# Altium PCB PCB5.PcbDoc (part 10 of 16) (continued)
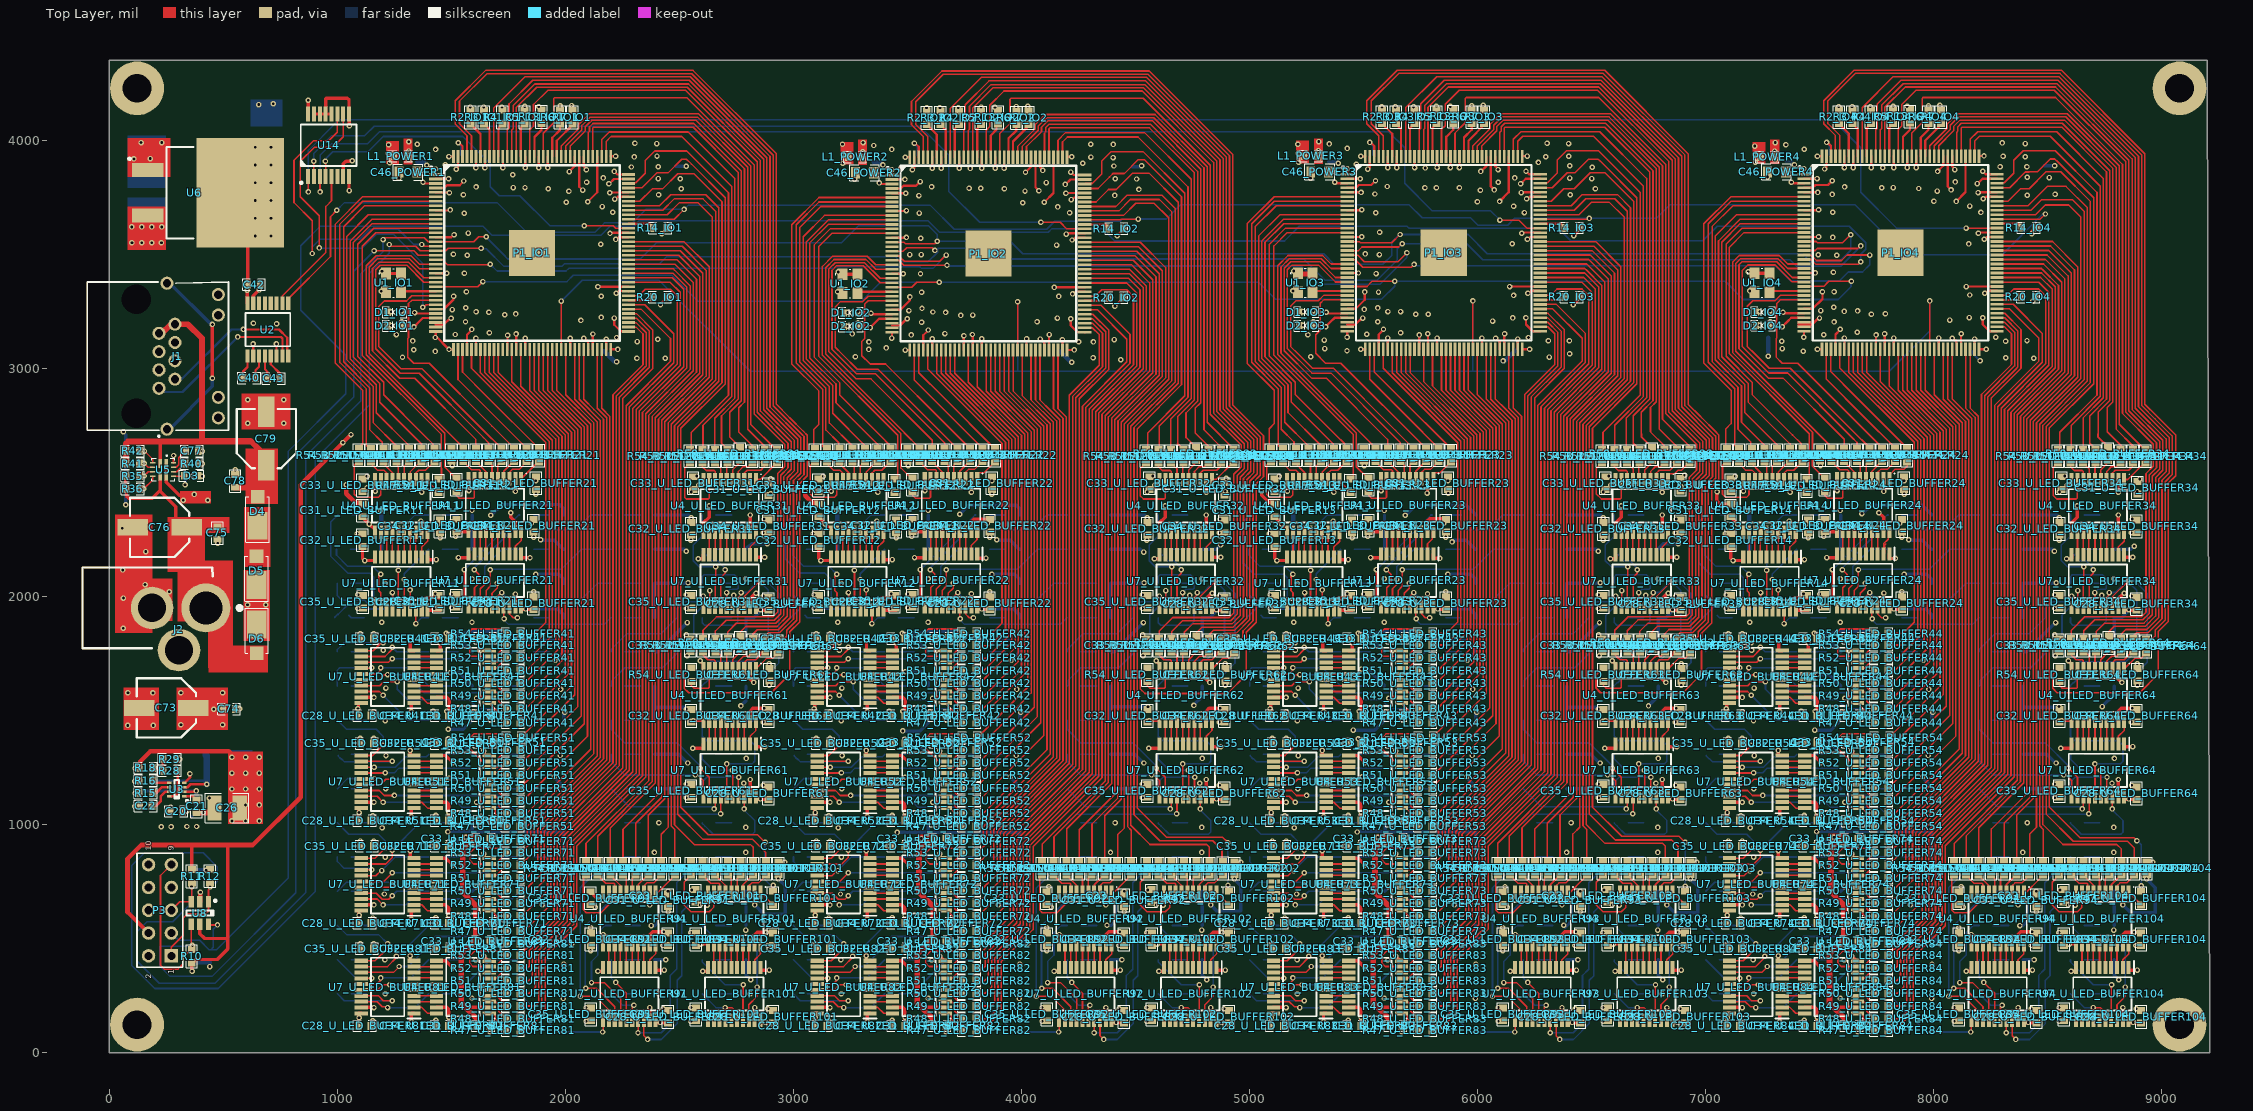
[diagram p0: Top Layer view]
## Nets (pads, with @x,y where several pads share a name; then routed paths per layer and width w, separated by ;. In a path a pad name is that pad's centre, name@x,y a point inside that pad or via, vN(x,y) a via of type N, cw(c..) or ccw(c..) an arc to the next point about the centre after c; other vN are vias at no path point) (continued)
L_OUT8_U_LED_BUFFER73: R46_U_LED_BUFFER73.2 U7_U_LED_BUFFER73.11 | length 397.4
  Top Layer w7: U7_U_LED_BUFFER73.11@5104.96,852.32 5165.79,852.32 v1(5210.63,897.16)
  Bottom Layer w7: R46_U_LED_BUFFER73.2@5000.63,1007.16 5050.63,957.16 5180.63,957.16 5210.63,927.16 v1(5210.63,897.16)
L_OUT8_U_LED_BUFFER74: R46_U_LED_BUFFER74.2 U7_U_LED_BUFFER74.11 | length 397.4
  Top Layer w7: U7_U_LED_BUFFER74.11@7104.96,852.32 7165.79,852.32 v1(7210.63,897.16)
  Bottom Layer w7: R46_U_LED_BUFFER74.2@7000.63,1007.16 7050.63,957.16 7180.63,957.16 7210.63,927.16 v1(7210.63,897.16)
L_OUT8_U_LED_BUFFER81: R46_U_LED_BUFFER81.2 U7_U_LED_BUFFER81.11 | length 411.5
  Top Layer w7: U7_U_LED_BUFFER81.11@1104.96,402.32 1165.79,402.32 1220.63,457.16 v1(1220.63,477.16)
  Bottom Layer w7: R46_U_LED_BUFFER81.2@1000.63,557.16 1040.63,517.16 1180.63,517.16 v1(1220.63,477.16)
L_OUT8_U_LED_BUFFER82: R46_U_LED_BUFFER82.2 U7_U_LED_BUFFER82.11 | length 411.5
  Top Layer w7: U7_U_LED_BUFFER82.11@3104.96,402.32 3165.79,402.32 3220.63,457.16 v1(3220.63,477.16)
  Bottom Layer w7: R46_U_LED_BUFFER82.2@3000.63,557.16 3040.63,517.16 3180.63,517.16 v1(3220.63,477.16)
L_OUT8_U_LED_BUFFER83: R46_U_LED_BUFFER83.2 U7_U_LED_BUFFER83.11 | length 411.5
  Top Layer w7: U7_U_LED_BUFFER83.11@5104.96,402.32 5165.79,402.32 5220.63,457.16 v1(5220.63,477.16)
  Bottom Layer w7: R46_U_LED_BUFFER83.2@5000.63,557.16 5040.63,517.16 5180.63,517.16 v1(5220.63,477.16)
L_OUT8_U_LED_BUFFER84: R46_U_LED_BUFFER84.2 U7_U_LED_BUFFER84.11 | length 411.5
  Top Layer w7: U7_U_LED_BUFFER84.11@7104.96,402.32 7165.79,402.32 7220.63,457.16 v1(7220.63,477.16)
  Bottom Layer w7: R46_U_LED_BUFFER84.2@7000.63,557.16 7040.63,517.16 7180.63,517.16 v1(7220.63,477.16)
L_OUT8_U_LED_BUFFER91: R46_U_LED_BUFFER91.2 U7_U_LED_BUFFER91.11 | length 485.7
  Top Layer w7: v1(2163.09,89.93) 2165.47,92.32 U7_U_LED_BUFFER91.11@2165.47,141.5
  Bottom Layer w7: R46_U_LED_BUFFER91.2@1800.63,257.16 1800.63,254.66 1812.13,243.16 1814.63,243.16 1967.86,89.93 v1(2163.09,89.93)
L_OUT8_U_LED_BUFFER92: R46_U_LED_BUFFER92.2 U7_U_LED_BUFFER92.11 | length 485.7
  Top Layer w7: v1(4163.09,89.93) 4165.47,92.32 U7_U_LED_BUFFER92.11@4165.47,141.5
  Bottom Layer w7: R46_U_LED_BUFFER92.2@3800.63,257.16 3800.63,254.66 3812.13,243.16 3814.63,243.16 3967.86,89.93 v1(4163.09,89.93)
L_OUT8_U_LED_BUFFER93: R46_U_LED_BUFFER93.2 U7_U_LED_BUFFER93.11 | length 485.7
  Top Layer w7: v1(6163.09,89.93) 6165.47,92.32 U7_U_LED_BUFFER93.11@6165.47,141.5
  Bottom Layer w7: R46_U_LED_BUFFER93.2@5800.63,257.16 5800.63,254.66 5812.13,243.16 5814.63,243.16 5967.86,89.93 v1(6163.09,89.93)
L_OUT8_U_LED_BUFFER94: R46_U_LED_BUFFER94.2 U7_U_LED_BUFFER94.11 | length 485.7
  Top Layer w7: v1(8163.09,89.93) 8165.47,92.32 U7_U_LED_BUFFER94.11@8165.47,141.5
  Bottom Layer w7: R46_U_LED_BUFFER94.2@7800.63,257.16 7800.63,254.66 7812.13,243.16 7814.63,243.16 7967.86,89.93 v1(8163.09,89.93)
L_OUT8_U_LED_BUFFER101: U7_U_LED_BUFFER101.11
L_OUT8_U_LED_BUFFER102: U7_U_LED_BUFFER102.11
L_OUT8_U_LED_BUFFER103: U7_U_LED_BUFFER103.11
L_OUT8_U_LED_BUFFER104: U7_U_LED_BUFFER104.11
LED0_IO1: P1_IO1.32 R8_IO1.2 | length 94.4
  Top Layer w10: v1(1338.83,3244.87) 1343.33,3240.36 P1_IO1.32@1431.34,3240.36
LED0_IO2: P1_IO2.32 R8_IO2.2 | length 94.4
  Top Layer w10: v1(3339.93,3242.27) 3344.43,3237.76 P1_IO2.32@3432.44,3237.76
LED0_IO3: P1_IO3.32 R8_IO3.2 | length 94.4
  Top Layer w10: v1(5336.83,3245.72) 5341.33,3241.21 P1_IO3.32@5429.34,3241.21
LED0_IO4: P1_IO4.32 R8_IO4.2 | length 94.4
  Top Layer w10: v1(7339.83,3245.87) 7344.33,3241.36 P1_IO4.32@7432.34,3241.36
LED1_IO1: P1_IO1.33 R21_IO1.2 | length 111.6
  Top Layer w10: v1(1335.83,3181.87) 1358.74,3204.77 1374.64,3220.68 P1_IO1.33@1431.34,3220.68
LED1_IO2: P1_IO2.33 R21_IO2.2 | length 111.6
  Top Layer w10: v1(3336.93,3179.27) 3359.84,3202.17 3375.74,3218.08 P1_IO2.33@3432.44,3218.08
LED1_IO3: P1_IO3.33 R21_IO3.2 | length 111.6
  Top Layer w10: v1(5333.83,3182.72) 5356.74,3205.62 5372.64,3221.53 P1_IO3.33@5429.34,3221.53
LED1_IO4: P1_IO4.33 R21_IO4.2 | length 111.6
  Top Layer w10: v1(7336.83,3182.87) 7359.74,3205.77 7375.64,3221.68 P1_IO4.33@7432.34,3221.68
NetC18_1: C18.1 L4.1 U3.3 | length 472.6
  Top Layer w12: U3.3@329.22,1163.55 344.22,1163.55 357.41,1176.73 v1(427.22,1176.73)
  Bottom Layer w12: C18.1@187.58,1192.13 411.82,1192.13 v1@422.94,1181.01
  Bottom Layer w30: L4.1@422.94,1304.13 427.22,1299.85 v1(427.22,1176.73)
NetC18_2: C18.2 R16.2
  other v1: 110.92,1190.13
NetC21_2: C21.2 U3.1 | length 60.3
  Top Layer w10: U3.1@329.22,1124.18 366.59,1124.18 C21.2@382.82,1107.95
NetC22_2: C22.2 U3.7 | length 113.7
  Top Layer w12: C22.2@187.58,1081.65 204.93,1081.65 226.22,1102.94 226.22,1123.97 246.12,1143.86 U3.7@263.24,1143.86
NetC25_2: C25.2 R18.1 R28.1 R29.1 | length 131.5
  Top Layer w12: R18.1@190.32,1248.03 190.42,1247.93 v1(217.52,1247.93) 224.68,1240.78 230.55,1240.78 R28.1@235.77,1235.55 R29.1@235.77,1286.73
  Bottom Layer w12: C25.2@187.88,1248.03 187.98,1247.93 v1(217.52,1247.93)
NetC77_2: C77.2 U5.11 | length 101.2
  Top Layer w7: U5.11@281.84,2566.21 293.75,2566.21 304.78,2577.24 304.78,2607.9 C77.2@335.22,2638.34
NetD1_IO1_1: D1_IO1.1 R8_IO1.1
  other v1: 1281.93,3251.97
NetD1_IO2_1: D1_IO2.1 R8_IO2.1
  other v1: 3283.03,3249.37
NetD1_IO3_1: D1_IO3.1 R8_IO3.1
  other v1: 5279.93,3252.82
NetD1_IO4_1: D1_IO4.1 R8_IO4.1
  other v1: 7282.93,3252.97
NetD2_IO1_1: D2_IO1.1 R21_IO1.1 | length 18.7
  Bottom Layer w10: R21_IO1.1@1263.63,3203.67 v1(1282.33,3203.67)
NetD2_IO2_1: D2_IO2.1 R21_IO2.1 | length 18.7
  Bottom Layer w10: R21_IO2.1@3264.73,3201.07 v1(3283.43,3201.07)
NetD2_IO3_1: D2_IO3.1 R21_IO3.1 | length 18.7
  Bottom Layer w10: R21_IO3.1@5261.63,3204.51 v1(5280.33,3204.51)
NetD2_IO4_1: D2_IO4.1 R21_IO4.1 | length 18.7
  Bottom Layer w10: R21_IO4.1@7264.63,3204.67 v1(7283.33,3204.67)
NetD3_1: D3.1 R37.2
  other v1: 408.68,2527.64
NetD3_2: D3.2 U5.9 | length 47.8
  Top Layer w7: U5.9@281.84,2526.84 326.32,2526.84 D3.2@328.67,2529.18
NetD4_1: D4.1 D5.2
NetD7_U_LED_BUFFER11_2: D7_U_LED_BUFFER11.2 R9_U_LED_BUFFER11.1 | length 68.5
  Bottom Layer w7: R9_U_LED_BUFFER11.1@1460.63,1907.16 D7_U_LED_BUFFER11.2@1529.14,1907.16
NetD7_U_LED_BUFFER12_2: D7_U_LED_BUFFER12.2 R9_U_LED_BUFFER12.1 | length 68.5
  Bottom Layer w7: R9_U_LED_BUFFER12.1@3460.63,1907.16 D7_U_LED_BUFFER12.2@3529.14,1907.16
NetD7_U_LED_BUFFER13_2: D7_U_LED_BUFFER13.2 R9_U_LED_BUFFER13.1 | length 68.5
  Bottom Layer w7: R9_U_LED_BUFFER13.1@5460.63,1907.16 D7_U_LED_BUFFER13.2@5529.14,1907.16
NetD7_U_LED_BUFFER14_2: D7_U_LED_BUFFER14.2 R9_U_LED_BUFFER14.1 | length 68.5
  Bottom Layer w7: R9_U_LED_BUFFER14.1@7460.63,1907.16 D7_U_LED_BUFFER14.2@7529.14,1907.16
NetD7_U_LED_BUFFER21_2: D7_U_LED_BUFFER21.2 R9_U_LED_BUFFER21.1 | length 68.5
  Bottom Layer w7: R9_U_LED_BUFFER21.1@1860.63,1907.16 D7_U_LED_BUFFER21.2@1929.14,1907.16
NetD7_U_LED_BUFFER22_2: D7_U_LED_BUFFER22.2 R9_U_LED_BUFFER22.1 | length 68.5
  Bottom Layer w7: R9_U_LED_BUFFER22.1@3860.63,1907.16 D7_U_LED_BUFFER22.2@3929.14,1907.16
NetD7_U_LED_BUFFER23_2: D7_U_LED_BUFFER23.2 R9_U_LED_BUFFER23.1 | length 68.5
  Bottom Layer w7: R9_U_LED_BUFFER23.1@5860.63,1907.16 D7_U_LED_BUFFER23.2@5929.14,1907.16
NetD7_U_LED_BUFFER24_2: D7_U_LED_BUFFER24.2 R9_U_LED_BUFFER24.1 | length 68.5
  Bottom Layer w7: R9_U_LED_BUFFER24.1@7860.63,1907.16 D7_U_LED_BUFFER24.2@7929.14,1907.16
NetD7_U_LED_BUFFER31_2: D7_U_LED_BUFFER31.2 R9_U_LED_BUFFER31.1 | length 68.5
  Bottom Layer w7: R9_U_LED_BUFFER31.1@2660.63,1757.16 D7_U_LED_BUFFER31.2@2729.14,1757.16
NetD7_U_LED_BUFFER32_2: D7_U_LED_BUFFER32.2 R9_U_LED_BUFFER32.1 | length 68.5
  Bottom Layer w7: R9_U_LED_BUFFER32.1@4660.63,1757.16 D7_U_LED_BUFFER32.2@4729.14,1757.16
NetD7_U_LED_BUFFER33_2: D7_U_LED_BUFFER33.2 R9_U_LED_BUFFER33.1 | length 68.5
  Bottom Layer w7: R9_U_LED_BUFFER33.1@6660.63,1757.16 D7_U_LED_BUFFER33.2@6729.14,1757.16
NetD7_U_LED_BUFFER34_2: D7_U_LED_BUFFER34.2 R9_U_LED_BUFFER34.1 | length 68.5
  Bottom Layer w7: R9_U_LED_BUFFER34.1@8660.63,1757.16 D7_U_LED_BUFFER34.2@8729.14,1757.16
NetD7_U_LED_BUFFER41_2: D7_U_LED_BUFFER41.2 R9_U_LED_BUFFER41.1 | length 68.5
  Bottom Layer w7: R9_U_LED_BUFFER41.1@1460.63,1457.16 D7_U_LED_BUFFER41.2@1529.14,1457.16
NetD7_U_LED_BUFFER42_2: D7_U_LED_BUFFER42.2 R9_U_LED_BUFFER42.1 | length 68.5
  Bottom Layer w7: R9_U_LED_BUFFER42.1@3460.63,1457.16 D7_U_LED_BUFFER42.2@3529.14,1457.16
NetD7_U_LED_BUFFER43_2: D7_U_LED_BUFFER43.2 R9_U_LED_BUFFER43.1 | length 68.5
  Bottom Layer w7: R9_U_LED_BUFFER43.1@5460.63,1457.16 D7_U_LED_BUFFER43.2@5529.14,1457.16
NetD7_U_LED_BUFFER44_2: D7_U_LED_BUFFER44.2 R9_U_LED_BUFFER44.1 | length 68.5
  Bottom Layer w7: R9_U_LED_BUFFER44.1@7460.63,1457.16 D7_U_LED_BUFFER44.2@7529.14,1457.16
NetD7_U_LED_BUFFER51_2: D7_U_LED_BUFFER51.2 R9_U_LED_BUFFER51.1 | length 68.5
  Bottom Layer w7: R9_U_LED_BUFFER51.1@1860.63,1007.16 D7_U_LED_BUFFER51.2@1929.14,1007.16
NetD7_U_LED_BUFFER52_2: D7_U_LED_BUFFER52.2 R9_U_LED_BUFFER52.1 | length 68.5
  Bottom Layer w7: R9_U_LED_BUFFER52.1@3860.63,1007.16 D7_U_LED_BUFFER52.2@3929.14,1007.16
NetD7_U_LED_BUFFER53_2: D7_U_LED_BUFFER53.2 R9_U_LED_BUFFER53.1 | length 68.5
  Bottom Layer w7: R9_U_LED_BUFFER53.1@5860.63,1007.16 D7_U_LED_BUFFER53.2@5929.14,1007.16
NetD7_U_LED_BUFFER54_2: D7_U_LED_BUFFER54.2 R9_U_LED_BUFFER54.1 | length 68.5
  Bottom Layer w7: R9_U_LED_BUFFER54.1@7860.63,1007.16 D7_U_LED_BUFFER54.2@7929.14,1007.16
NetD7_U_LED_BUFFER61_2: D7_U_LED_BUFFER61.2 R9_U_LED_BUFFER61.1 | length 68.5
  Bottom Layer w7: R9_U_LED_BUFFER61.1@2660.63,1007.16 D7_U_LED_BUFFER61.2@2729.14,1007.16
NetD7_U_LED_BUFFER62_2: D7_U_LED_BUFFER62.2 R9_U_LED_BUFFER62.1 | length 68.5
  Bottom Layer w7: R9_U_LED_BUFFER62.1@4660.63,1007.16 D7_U_LED_BUFFER62.2@4729.14,1007.16
NetD7_U_LED_BUFFER63_2: D7_U_LED_BUFFER63.2 R9_U_LED_BUFFER63.1 | length 68.5
  Bottom Layer w7: R9_U_LED_BUFFER63.1@6660.63,1007.16 D7_U_LED_BUFFER63.2@6729.14,1007.16
NetD7_U_LED_BUFFER64_2: D7_U_LED_BUFFER64.2 R9_U_LED_BUFFER64.1 | length 68.5
  Bottom Layer w7: R9_U_LED_BUFFER64.1@8660.63,1007.16 D7_U_LED_BUFFER64.2@8729.14,1007.16
NetD7_U_LED_BUFFER71_2: D7_U_LED_BUFFER71.2 R9_U_LED_BUFFER71.1 | length 68.5
  Bottom Layer w7: R9_U_LED_BUFFER71.1@1860.63,707.16 D7_U_LED_BUFFER71.2@1929.14,707.16
NetD7_U_LED_BUFFER72_2: D7_U_LED_BUFFER72.2 R9_U_LED_BUFFER72.1 | length 68.5
  Bottom Layer w7: R9_U_LED_BUFFER72.1@3860.63,707.16 D7_U_LED_BUFFER72.2@3929.14,707.16
NetD7_U_LED_BUFFER73_2: D7_U_LED_BUFFER73.2 R9_U_LED_BUFFER73.1 | length 68.5
  Bottom Layer w7: R9_U_LED_BUFFER73.1@5860.63,707.16 D7_U_LED_BUFFER73.2@5929.14,707.16
NetD7_U_LED_BUFFER74_2: D7_U_LED_BUFFER74.2 R9_U_LED_BUFFER74.1 | length 68.5
  Bottom Layer w7: R9_U_LED_BUFFER74.1@7860.63,707.16 D7_U_LED_BUFFER74.2@7929.14,707.16
NetD7_U_LED_BUFFER81_2: D7_U_LED_BUFFER81.2 R9_U_LED_BUFFER81.1 | length 68.5
  Bottom Layer w7: R9_U_LED_BUFFER81.1@1460.63,257.16 D7_U_LED_BUFFER81.2@1529.14,257.16
NetD7_U_LED_BUFFER82_2: D7_U_LED_BUFFER82.2 R9_U_LED_BUFFER82.1 | length 68.5
  Bottom Layer w7: R9_U_LED_BUFFER82.1@3460.63,257.16 D7_U_LED_BUFFER82.2@3529.14,257.16
NetD7_U_LED_BUFFER83_2: D7_U_LED_BUFFER83.2 R9_U_LED_BUFFER83.1 | length 68.5
  Bottom Layer w7: R9_U_LED_BUFFER83.1@5460.63,257.16 D7_U_LED_BUFFER83.2@5529.14,257.16
NetD7_U_LED_BUFFER84_2: D7_U_LED_BUFFER84.2 R9_U_LED_BUFFER84.1 | length 68.5
  Bottom Layer w7: R9_U_LED_BUFFER84.1@7460.63,257.16 D7_U_LED_BUFFER84.2@7529.14,257.16
NetD7_U_LED_BUFFER91_2: D7_U_LED_BUFFER91.2 R9_U_LED_BUFFER91.1 | length 68.5
  Bottom Layer w7: R9_U_LED_BUFFER91.1@2660.63,707.16 D7_U_LED_BUFFER91.2@2729.14,707.16
NetD7_U_LED_BUFFER92_2: D7_U_LED_BUFFER92.2 R9_U_LED_BUFFER92.1 | length 68.5
  Bottom Layer w7: R9_U_LED_BUFFER92.1@4660.63,707.16 D7_U_LED_BUFFER92.2@4729.14,707.16
NetD7_U_LED_BUFFER93_2: D7_U_LED_BUFFER93.2 R9_U_LED_BUFFER93.1 | length 68.5
  Bottom Layer w7: R9_U_LED_BUFFER93.1@6660.63,707.16 D7_U_LED_BUFFER93.2@6729.14,707.16
NetD7_U_LED_BUFFER94_2: D7_U_LED_BUFFER94.2 R9_U_LED_BUFFER94.1 | length 68.5
  Bottom Layer w7: R9_U_LED_BUFFER94.1@8660.63,707.16 D7_U_LED_BUFFER94.2@8729.14,707.16
NetD7_U_LED_BUFFER101_2: D7_U_LED_BUFFER101.2 R9_U_LED_BUFFER101.1 | length 68.5
  Bottom Layer w7: R9_U_LED_BUFFER101.1@2660.63,557.16 D7_U_LED_BUFFER101.2@2729.14,557.16
NetD7_U_LED_BUFFER102_2: D7_U_LED_BUFFER102.2 R9_U_LED_BUFFER102.1 | length 68.5
  Bottom Layer w7: R9_U_LED_BUFFER102.1@4660.63,557.16 D7_U_LED_BUFFER102.2@4729.14,557.16
NetD7_U_LED_BUFFER103_2: D7_U_LED_BUFFER103.2 R9_U_LED_BUFFER103.1 | length 68.5
  Bottom Layer w7: R9_U_LED_BUFFER103.1@6660.63,557.16 D7_U_LED_BUFFER103.2@6729.14,557.16
NetD7_U_LED_BUFFER104_2: D7_U_LED_BUFFER104.2 R9_U_LED_BUFFER104.1 | length 68.5
  Bottom Layer w7: R9_U_LED_BUFFER104.1@8660.63,557.16 D7_U_LED_BUFFER104.2@8729.14,557.16
NetD8_U_LED_BUFFER11_2: D8_U_LED_BUFFER11.2 R17_U_LED_BUFFER11.1 | length 68.5
  Bottom Layer w7: R17_U_LED_BUFFER11.1@1460.63,2057.16 D8_U_LED_BUFFER11.2@1529.14,2057.16
NetD8_U_LED_BUFFER12_2: D8_U_LED_BUFFER12.2 R17_U_LED_BUFFER12.1 | length 68.5
  Bottom Layer w7: R17_U_LED_BUFFER12.1@3460.63,2057.16 D8_U_LED_BUFFER12.2@3529.14,2057.16
NetD8_U_LED_BUFFER13_2: D8_U_LED_BUFFER13.2 R17_U_LED_BUFFER13.1 | length 68.5
  Bottom Layer w7: R17_U_LED_BUFFER13.1@5460.63,2057.16 D8_U_LED_BUFFER13.2@5529.14,2057.16
NetD8_U_LED_BUFFER14_2: D8_U_LED_BUFFER14.2 R17_U_LED_BUFFER14.1 | length 68.5
  Bottom Layer w7: R17_U_LED_BUFFER14.1@7460.63,2057.16 D8_U_LED_BUFFER14.2@7529.14,2057.16
NetD8_U_LED_BUFFER21_2: D8_U_LED_BUFFER21.2 R17_U_LED_BUFFER21.1 | length 68.5
  Bottom Layer w7: R17_U_LED_BUFFER21.1@2260.63,1907.16 D8_U_LED_BUFFER21.2@2329.14,1907.16
NetD8_U_LED_BUFFER22_2: D8_U_LED_BUFFER22.2 R17_U_LED_BUFFER22.1 | length 68.5
  Bottom Layer w7: R17_U_LED_BUFFER22.1@4260.63,1907.16 D8_U_LED_BUFFER22.2@4329.14,1907.16
NetD8_U_LED_BUFFER23_2: D8_U_LED_BUFFER23.2 R17_U_LED_BUFFER23.1 | length 68.5
  Bottom Layer w7: R17_U_LED_BUFFER23.1@6260.63,1907.16 D8_U_LED_BUFFER23.2@6329.14,1907.16
NetD8_U_LED_BUFFER24_2: D8_U_LED_BUFFER24.2 R17_U_LED_BUFFER24.1 | length 68.5
  Bottom Layer w7: R17_U_LED_BUFFER24.1@8260.63,1907.16 D8_U_LED_BUFFER24.2@8329.14,1907.16
NetD8_U_LED_BUFFER31_2: D8_U_LED_BUFFER31.2 R17_U_LED_BUFFER31.1 | length 68.5
  Bottom Layer w7: R17_U_LED_BUFFER31.1@2660.63,1607.16 D8_U_LED_BUFFER31.2@2729.14,1607.16
NetD8_U_LED_BUFFER32_2: D8_U_LED_BUFFER32.2 R17_U_LED_BUFFER32.1 | length 68.5
  Bottom Layer w7: R17_U_LED_BUFFER32.1@4660.63,1607.16 D8_U_LED_BUFFER32.2@4729.14,1607.16
NetD8_U_LED_BUFFER33_2: D8_U_LED_BUFFER33.2 R17_U_LED_BUFFER33.1 | length 68.5
  Bottom Layer w7: R17_U_LED_BUFFER33.1@6660.63,1607.16 D8_U_LED_BUFFER33.2@6729.14,1607.16
NetD8_U_LED_BUFFER34_2: D8_U_LED_BUFFER34.2 R17_U_LED_BUFFER34.1 | length 68.5
  Bottom Layer w7: R17_U_LED_BUFFER34.1@8660.63,1607.16 D8_U_LED_BUFFER34.2@8729.14,1607.16
NetD8_U_LED_BUFFER41_2: D8_U_LED_BUFFER41.2 R17_U_LED_BUFFER41.1 | length 68.5
  Bottom Layer w7: R17_U_LED_BUFFER41.1@1860.44,1455.14 D8_U_LED_BUFFER41.2@1928.95,1455.14
NetD8_U_LED_BUFFER42_2: D8_U_LED_BUFFER42.2 R17_U_LED_BUFFER42.1 | length 68.5
  Bottom Layer w7: R17_U_LED_BUFFER42.1@3860.44,1455.14 D8_U_LED_BUFFER42.2@3928.95,1455.14
NetD8_U_LED_BUFFER43_2: D8_U_LED_BUFFER43.2 R17_U_LED_BUFFER43.1 | length 68.5
  Bottom Layer w7: R17_U_LED_BUFFER43.1@5860.44,1455.14 D8_U_LED_BUFFER43.2@5928.95,1455.14
NetD8_U_LED_BUFFER44_2: D8_U_LED_BUFFER44.2 R17_U_LED_BUFFER44.1 | length 68.5
  Bottom Layer w7: R17_U_LED_BUFFER44.1@7860.44,1455.14 D8_U_LED_BUFFER44.2@7928.95,1455.14
NetD8_U_LED_BUFFER51_2: D8_U_LED_BUFFER51.2 R17_U_LED_BUFFER51.1 | length 68.5
  Bottom Layer w7: R17_U_LED_BUFFER51.1@1860.63,1157.16 D8_U_LED_BUFFER51.2@1929.14,1157.16
NetD8_U_LED_BUFFER52_2: D8_U_LED_BUFFER52.2 R17_U_LED_BUFFER52.1 | length 68.5
  Bottom Layer w7: R17_U_LED_BUFFER52.1@3860.63,1157.16 D8_U_LED_BUFFER52.2@3929.14,1157.16
NetD8_U_LED_BUFFER53_2: D8_U_LED_BUFFER53.2 R17_U_LED_BUFFER53.1 | length 68.5
  Bottom Layer w7: R17_U_LED_BUFFER53.1@5860.63,1157.16 D8_U_LED_BUFFER53.2@5929.14,1157.16
NetD8_U_LED_BUFFER54_2: D8_U_LED_BUFFER54.2 R17_U_LED_BUFFER54.1 | length 68.5
  Bottom Layer w7: R17_U_LED_BUFFER54.1@7860.63,1157.16 D8_U_LED_BUFFER54.2@7929.14,1157.16
NetD8_U_LED_BUFFER61_2: D8_U_LED_BUFFER61.2 R17_U_LED_BUFFER61.1 | length 68.5
  Bottom Layer w7: R17_U_LED_BUFFER61.1@2660.63,1157.16 D8_U_LED_BUFFER61.2@2729.14,1157.16
NetD8_U_LED_BUFFER62_2: D8_U_LED_BUFFER62.2 R17_U_LED_BUFFER62.1 | length 68.5
  Bottom Layer w7: R17_U_LED_BUFFER62.1@4660.63,1157.16 D8_U_LED_BUFFER62.2@4729.14,1157.16
NetD8_U_LED_BUFFER63_2: D8_U_LED_BUFFER63.2 R17_U_LED_BUFFER63.1 | length 68.5
  Bottom Layer w7: R17_U_LED_BUFFER63.1@6660.63,1157.16 D8_U_LED_BUFFER63.2@6729.14,1157.16
NetD8_U_LED_BUFFER64_2: D8_U_LED_BUFFER64.2 R17_U_LED_BUFFER64.1 | length 68.5
  Bottom Layer w7: R17_U_LED_BUFFER64.1@8660.63,1157.16 D8_U_LED_BUFFER64.2@8729.14,1157.16
NetD8_U_LED_BUFFER71_2: D8_U_LED_BUFFER71.2 R17_U_LED_BUFFER71.1 | length 68.5
  Bottom Layer w7: R17_U_LED_BUFFER71.1@1460.63,707.16 D8_U_LED_BUFFER71.2@1529.14,707.16
NetD8_U_LED_BUFFER72_2: D8_U_LED_BUFFER72.2 R17_U_LED_BUFFER72.1 | length 68.5
  Bottom Layer w7: R17_U_LED_BUFFER72.1@3460.63,707.16 D8_U_LED_BUFFER72.2@3529.14,707.16
NetD8_U_LED_BUFFER73_2: D8_U_LED_BUFFER73.2 R17_U_LED_BUFFER73.1 | length 68.5
  Bottom Layer w7: R17_U_LED_BUFFER73.1@5460.63,707.16 D8_U_LED_BUFFER73.2@5529.14,707.16
NetD8_U_LED_BUFFER74_2: D8_U_LED_BUFFER74.2 R17_U_LED_BUFFER74.1 | length 68.5
  Bottom Layer w7: R17_U_LED_BUFFER74.1@7460.63,707.16 D8_U_LED_BUFFER74.2@7529.14,707.16
NetD8_U_LED_BUFFER81_2: D8_U_LED_BUFFER81.2 R17_U_LED_BUFFER81.1 | length 68.5
  Bottom Layer w7: R17_U_LED_BUFFER81.1@1060.63,257.16 D8_U_LED_BUFFER81.2@1129.14,257.16
NetD8_U_LED_BUFFER82_2: D8_U_LED_BUFFER82.2 R17_U_LED_BUFFER82.1 | length 68.5
  Bottom Layer w7: R17_U_LED_BUFFER82.1@3060.63,257.16 D8_U_LED_BUFFER82.2@3129.14,257.16
NetD8_U_LED_BUFFER83_2: D8_U_LED_BUFFER83.2 R17_U_LED_BUFFER83.1 | length 68.5
  Bottom Layer w7: R17_U_LED_BUFFER83.1@5060.63,257.16 D8_U_LED_BUFFER83.2@5129.14,257.16
NetD8_U_LED_BUFFER84_2: D8_U_LED_BUFFER84.2 R17_U_LED_BUFFER84.1 | length 68.5
  Bottom Layer w7: R17_U_LED_BUFFER84.1@7060.63,257.16 D8_U_LED_BUFFER84.2@7129.14,257.16
NetD8_U_LED_BUFFER91_2: D8_U_LED_BUFFER91.2 R17_U_LED_BUFFER91.1 | length 68.5
  Bottom Layer w7: R17_U_LED_BUFFER91.1@2660.63,857.16 D8_U_LED_BUFFER91.2@2729.14,857.16
NetD8_U_LED_BUFFER92_2: D8_U_LED_BUFFER92.2 R17_U_LED_BUFFER92.1 | length 68.5
  Bottom Layer w7: R17_U_LED_BUFFER92.1@4660.63,857.16 D8_U_LED_BUFFER92.2@4729.14,857.16
NetD8_U_LED_BUFFER93_2: D8_U_LED_BUFFER93.2 R17_U_LED_BUFFER93.1 | length 68.5
  Bottom Layer w7: R17_U_LED_BUFFER93.1@6660.63,857.16 D8_U_LED_BUFFER93.2@6729.14,857.16
NetD8_U_LED_BUFFER94_2: D8_U_LED_BUFFER94.2 R17_U_LED_BUFFER94.1 | length 68.5
  Bottom Layer w7: R17_U_LED_BUFFER94.1@8660.63,857.16 D8_U_LED_BUFFER94.2@8729.14,857.16
NetD8_U_LED_BUFFER101_2: D8_U_LED_BUFFER101.2 R17_U_LED_BUFFER101.1 | length 68.5
  Bottom Layer w7: R17_U_LED_BUFFER101.1@2660.63,407.16 D8_U_LED_BUFFER101.2@2729.14,407.16
NetD8_U_LED_BUFFER102_2: D8_U_LED_BUFFER102.2 R17_U_LED_BUFFER102.1 | length 68.5
  Bottom Layer w7: R17_U_LED_BUFFER102.1@4660.63,407.16 D8_U_LED_BUFFER102.2@4729.14,407.16
NetD8_U_LED_BUFFER103_2: D8_U_LED_BUFFER103.2 R17_U_LED_BUFFER103.1 | length 68.5
  Bottom Layer w7: R17_U_LED_BUFFER103.1@6660.63,407.16 D8_U_LED_BUFFER103.2@6729.14,407.16
NetD8_U_LED_BUFFER104_2: D8_U_LED_BUFFER104.2 R17_U_LED_BUFFER104.1 | length 68.5
  Bottom Layer w7: R17_U_LED_BUFFER104.1@8660.63,407.16 D8_U_LED_BUFFER104.2@8729.14,407.16
NetD9_U_LED_BUFFER11_2: D9_U_LED_BUFFER11.2 R19_U_LED_BUFFER11.1 | length 68.5
  Bottom Layer w7: R19_U_LED_BUFFER11.1@1460.63,2207.16 D9_U_LED_BUFFER11.2@1529.14,2207.16
NetD9_U_LED_BUFFER12_2: D9_U_LED_BUFFER12.2 R19_U_LED_BUFFER12.1 | length 68.5
  Bottom Layer w7: R19_U_LED_BUFFER12.1@3460.63,2207.16 D9_U_LED_BUFFER12.2@3529.13,2207.17
NetD9_U_LED_BUFFER13_2: D9_U_LED_BUFFER13.2 R19_U_LED_BUFFER13.1 | length 68.5
  Bottom Layer w7: R19_U_LED_BUFFER13.1@5460.63,2207.16 D9_U_LED_BUFFER13.2@5529.14,2207.16
NetD9_U_LED_BUFFER14_2: D9_U_LED_BUFFER14.2 R19_U_LED_BUFFER14.1 | length 68.5
  Bottom Layer w7: R19_U_LED_BUFFER14.1@7460.63,2207.16 D9_U_LED_BUFFER14.2@7529.14,2207.16
NetD9_U_LED_BUFFER21_2: D9_U_LED_BUFFER21.2 R19_U_LED_BUFFER21.1 | length 68.5
  Bottom Layer w7: R19_U_LED_BUFFER21.1@2260.63,2057.16 D9_U_LED_BUFFER21.2@2329.14,2057.16
NetD9_U_LED_BUFFER22_2: D9_U_LED_BUFFER22.2 R19_U_LED_BUFFER22.1 | length 68.5
  Bottom Layer w7: R19_U_LED_BUFFER22.1@4260.63,2057.16 D9_U_LED_BUFFER22.2@4329.14,2057.16
NetD9_U_LED_BUFFER23_2: D9_U_LED_BUFFER23.2 R19_U_LED_BUFFER23.1 | length 68.5
  Bottom Layer w7: R19_U_LED_BUFFER23.1@6260.63,2057.16 D9_U_LED_BUFFER23.2@6329.14,2057.16
NetD9_U_LED_BUFFER24_2: D9_U_LED_BUFFER24.2 R19_U_LED_BUFFER24.1 | length 68.5
  Bottom Layer w7: R19_U_LED_BUFFER24.1@8260.63,2057.16 D9_U_LED_BUFFER24.2@8329.14,2057.16
NetD9_U_LED_BUFFER31_2: D9_U_LED_BUFFER31.2 R19_U_LED_BUFFER31.1 | length 68.5
  Bottom Layer w7: R19_U_LED_BUFFER31.1@2660.63,1907.16 D9_U_LED_BUFFER31.2@2729.14,1907.16
NetD9_U_LED_BUFFER32_2: D9_U_LED_BUFFER32.2 R19_U_LED_BUFFER32.1 | length 68.5
  Bottom Layer w7: R19_U_LED_BUFFER32.1@4660.63,1907.16 D9_U_LED_BUFFER32.2@4729.14,1907.16
NetD9_U_LED_BUFFER33_2: D9_U_LED_BUFFER33.2 R19_U_LED_BUFFER33.1 | length 68.5
  Bottom Layer w7: R19_U_LED_BUFFER33.1@6660.63,1907.16 D9_U_LED_BUFFER33.2@6729.14,1907.16
NetD9_U_LED_BUFFER34_2: D9_U_LED_BUFFER34.2 R19_U_LED_BUFFER34.1 | length 68.5
  Bottom Layer w7: R19_U_LED_BUFFER34.1@8660.63,1907.16 D9_U_LED_BUFFER34.2@8729.14,1907.16
NetD9_U_LED_BUFFER41_2: D9_U_LED_BUFFER41.2 R19_U_LED_BUFFER41.1 | length 68.5
  Bottom Layer w7: R19_U_LED_BUFFER41.1@1860.63,1607.16 D9_U_LED_BUFFER41.2@1929.14,1607.16
NetD9_U_LED_BUFFER42_2: D9_U_LED_BUFFER42.2 R19_U_LED_BUFFER42.1 | length 68.5
  Bottom Layer w7: R19_U_LED_BUFFER42.1@3860.63,1607.16 D9_U_LED_BUFFER42.2@3929.14,1607.16
NetD9_U_LED_BUFFER43_2: D9_U_LED_BUFFER43.2 R19_U_LED_BUFFER43.1 | length 68.5
  Bottom Layer w7: R19_U_LED_BUFFER43.1@5860.63,1607.16 D9_U_LED_BUFFER43.2@5929.14,1607.16
NetD9_U_LED_BUFFER44_2: D9_U_LED_BUFFER44.2 R19_U_LED_BUFFER44.1 | length 68.5
  Bottom Layer w7: R19_U_LED_BUFFER44.1@7860.63,1607.16 D9_U_LED_BUFFER44.2@7929.14,1607.16
NetD9_U_LED_BUFFER51_2: D9_U_LED_BUFFER51.2 R19_U_LED_BUFFER51.1 | length 68.5
  Bottom Layer w7: R19_U_LED_BUFFER51.1@1460.63,1157.16 D9_U_LED_BUFFER51.2@1529.14,1157.16
NetD9_U_LED_BUFFER52_2: D9_U_LED_BUFFER52.2 R19_U_LED_BUFFER52.1 | length 68.5
  Bottom Layer w7: R19_U_LED_BUFFER52.1@3460.63,1157.16 D9_U_LED_BUFFER52.2@3529.14,1157.16
NetD9_U_LED_BUFFER53_2: D9_U_LED_BUFFER53.2 R19_U_LED_BUFFER53.1 | length 68.5
  Bottom Layer w7: R19_U_LED_BUFFER53.1@5460.63,1157.16 D9_U_LED_BUFFER53.2@5529.14,1157.16
NetD9_U_LED_BUFFER54_2: D9_U_LED_BUFFER54.2 R19_U_LED_BUFFER54.1 | length 68.5
  Bottom Layer w7: R19_U_LED_BUFFER54.1@7460.63,1157.16 D9_U_LED_BUFFER54.2@7529.14,1157.16
NetD9_U_LED_BUFFER61_2: D9_U_LED_BUFFER61.2 R19_U_LED_BUFFER61.1 | length 68.5
  Bottom Layer w7: R19_U_LED_BUFFER61.1@2660.63,1307.16 D9_U_LED_BUFFER61.2@2729.14,1307.16
NetD9_U_LED_BUFFER62_2: D9_U_LED_BUFFER62.2 R19_U_LED_BUFFER62.1 | length 68.5
  Bottom Layer w7: R19_U_LED_BUFFER62.1@4660.63,1307.16 D9_U_LED_BUFFER62.2@4729.14,1307.16
NetD9_U_LED_BUFFER63_2: D9_U_LED_BUFFER63.2 R19_U_LED_BUFFER63.1 | length 68.5
  Bottom Layer w7: R19_U_LED_BUFFER63.1@6660.63,1307.16 D9_U_LED_BUFFER63.2@6729.14,1307.16
NetD9_U_LED_BUFFER64_2: D9_U_LED_BUFFER64.2 R19_U_LED_BUFFER64.1 | length 68.5
  Bottom Layer w7: R19_U_LED_BUFFER64.1@8660.63,1307.16 D9_U_LED_BUFFER64.2@8729.14,1307.16
NetD9_U_LED_BUFFER71_2: D9_U_LED_BUFFER71.2 R19_U_LED_BUFFER71.1 | length 68.5
  Bottom Layer w7: R19_U_LED_BUFFER71.1@1060.63,707.16 D9_U_LED_BUFFER71.2@1129.14,707.16
NetD9_U_LED_BUFFER72_2: D9_U_LED_BUFFER72.2 R19_U_LED_BUFFER72.1 | length 68.5
  Bottom Layer w7: R19_U_LED_BUFFER72.1@3060.63,707.16 D9_U_LED_BUFFER72.2@3129.14,707.16
NetD9_U_LED_BUFFER73_2: D9_U_LED_BUFFER73.2 R19_U_LED_BUFFER73.1 | length 68.5
  Bottom Layer w7: R19_U_LED_BUFFER73.1@5060.63,707.16 D9_U_LED_BUFFER73.2@5129.14,707.16
NetD9_U_LED_BUFFER74_2: D9_U_LED_BUFFER74.2 R19_U_LED_BUFFER74.1 | length 68.5
  Bottom Layer w7: R19_U_LED_BUFFER74.1@7060.63,707.16 D9_U_LED_BUFFER74.2@7129.14,707.16
NetD9_U_LED_BUFFER81_2: D9_U_LED_BUFFER81.2 R19_U_LED_BUFFER81.1 | length 68.5
  Bottom Layer w7: R19_U_LED_BUFFER81.1@1860.63,407.16 D9_U_LED_BUFFER81.2@1929.14,407.16
NetD9_U_LED_BUFFER82_2: D9_U_LED_BUFFER82.2 R19_U_LED_BUFFER82.1 | length 68.5
  Bottom Layer w7: R19_U_LED_BUFFER82.1@3860.63,407.16 D9_U_LED_BUFFER82.2@3929.14,407.16
NetD9_U_LED_BUFFER83_2: D9_U_LED_BUFFER83.2 R19_U_LED_BUFFER83.1 | length 68.5
  Bottom Layer w7: R19_U_LED_BUFFER83.1@5860.63,407.16 D9_U_LED_BUFFER83.2@5929.14,407.16
NetD9_U_LED_BUFFER84_2: D9_U_LED_BUFFER84.2 R19_U_LED_BUFFER84.1 | length 68.5
  Bottom Layer w7: R19_U_LED_BUFFER84.1@7860.63,407.16 D9_U_LED_BUFFER84.2@7929.14,407.16
NetD9_U_LED_BUFFER91_2: D9_U_LED_BUFFER91.2 R19_U_LED_BUFFER91.1 | length 68.5
  Bottom Layer w7: R19_U_LED_BUFFER91.1@2260.63,257.16 D9_U_LED_BUFFER91.2@2329.14,257.16
NetD9_U_LED_BUFFER92_2: D9_U_LED_BUFFER92.2 R19_U_LED_BUFFER92.1 | length 68.5
  Bottom Layer w7: R19_U_LED_BUFFER92.1@4260.63,257.16 D9_U_LED_BUFFER92.2@4329.14,257.16
NetD9_U_LED_BUFFER93_2: D9_U_LED_BUFFER93.2 R19_U_LED_BUFFER93.1 | length 68.5
  Bottom Layer w7: R19_U_LED_BUFFER93.1@6260.63,257.16 D9_U_LED_BUFFER93.2@6329.14,257.16
NetD9_U_LED_BUFFER94_2: D9_U_LED_BUFFER94.2 R19_U_LED_BUFFER94.1 | length 68.5
  Bottom Layer w7: R19_U_LED_BUFFER94.1@8260.63,257.16 D9_U_LED_BUFFER94.2@8329.14,257.16
NetD9_U_LED_BUFFER101_2: D9_U_LED_BUFFER101.2 R19_U_LED_BUFFER101.1 | length 68.5
  Bottom Layer w7: R19_U_LED_BUFFER101.1@2660.63,257.16 D9_U_LED_BUFFER101.2@2729.14,257.16
NetD9_U_LED_BUFFER102_2: D9_U_LED_BUFFER102.2 R19_U_LED_BUFFER102.1 | length 68.5
  Bottom Layer w7: R19_U_LED_BUFFER102.1@4660.63,257.16 D9_U_LED_BUFFER102.2@4729.14,257.16
NetD9_U_LED_BUFFER103_2: D9_U_LED_BUFFER103.2 R19_U_LED_BUFFER103.1 | length 68.5
  Bottom Layer w7: R19_U_LED_BUFFER103.1@6660.63,257.16 D9_U_LED_BUFFER103.2@6729.14,257.16
NetD9_U_LED_BUFFER104_2: D9_U_LED_BUFFER104.2 R19_U_LED_BUFFER104.1 | length 68.5
  Bottom Layer w7: R19_U_LED_BUFFER104.1@8660.63,257.16 D9_U_LED_BUFFER104.2@8729.14,257.16
NetD10_U_LED_BUFFER11_2: D10_U_LED_BUFFER11.2 R22_U_LED_BUFFER11.1 | length 68.5
  Bottom Layer w7: R22_U_LED_BUFFER11.1@1460.63,2357.16 D10_U_LED_BUFFER11.2@1529.14,2357.16
NetD10_U_LED_BUFFER12_2: D10_U_LED_BUFFER12.2 R22_U_LED_BUFFER12.1 | length 68.5
  Bottom Layer w7: R22_U_LED_BUFFER12.1@3460.63,2357.16 D10_U_LED_BUFFER12.2@3529.13,2357.17
NetD10_U_LED_BUFFER13_2: D10_U_LED_BUFFER13.2 R22_U_LED_BUFFER13.1 | length 68.5
  Bottom Layer w7: R22_U_LED_BUFFER13.1@5460.63,2357.16 D10_U_LED_BUFFER13.2@5529.14,2357.16
NetD10_U_LED_BUFFER14_2: D10_U_LED_BUFFER14.2 R22_U_LED_BUFFER14.1 | length 68.5
  Bottom Layer w7: R22_U_LED_BUFFER14.1@7460.63,2357.16 D10_U_LED_BUFFER14.2@7529.14,2357.16